# KiCad board NoU2-panelized2.kicad_pcb (continued)
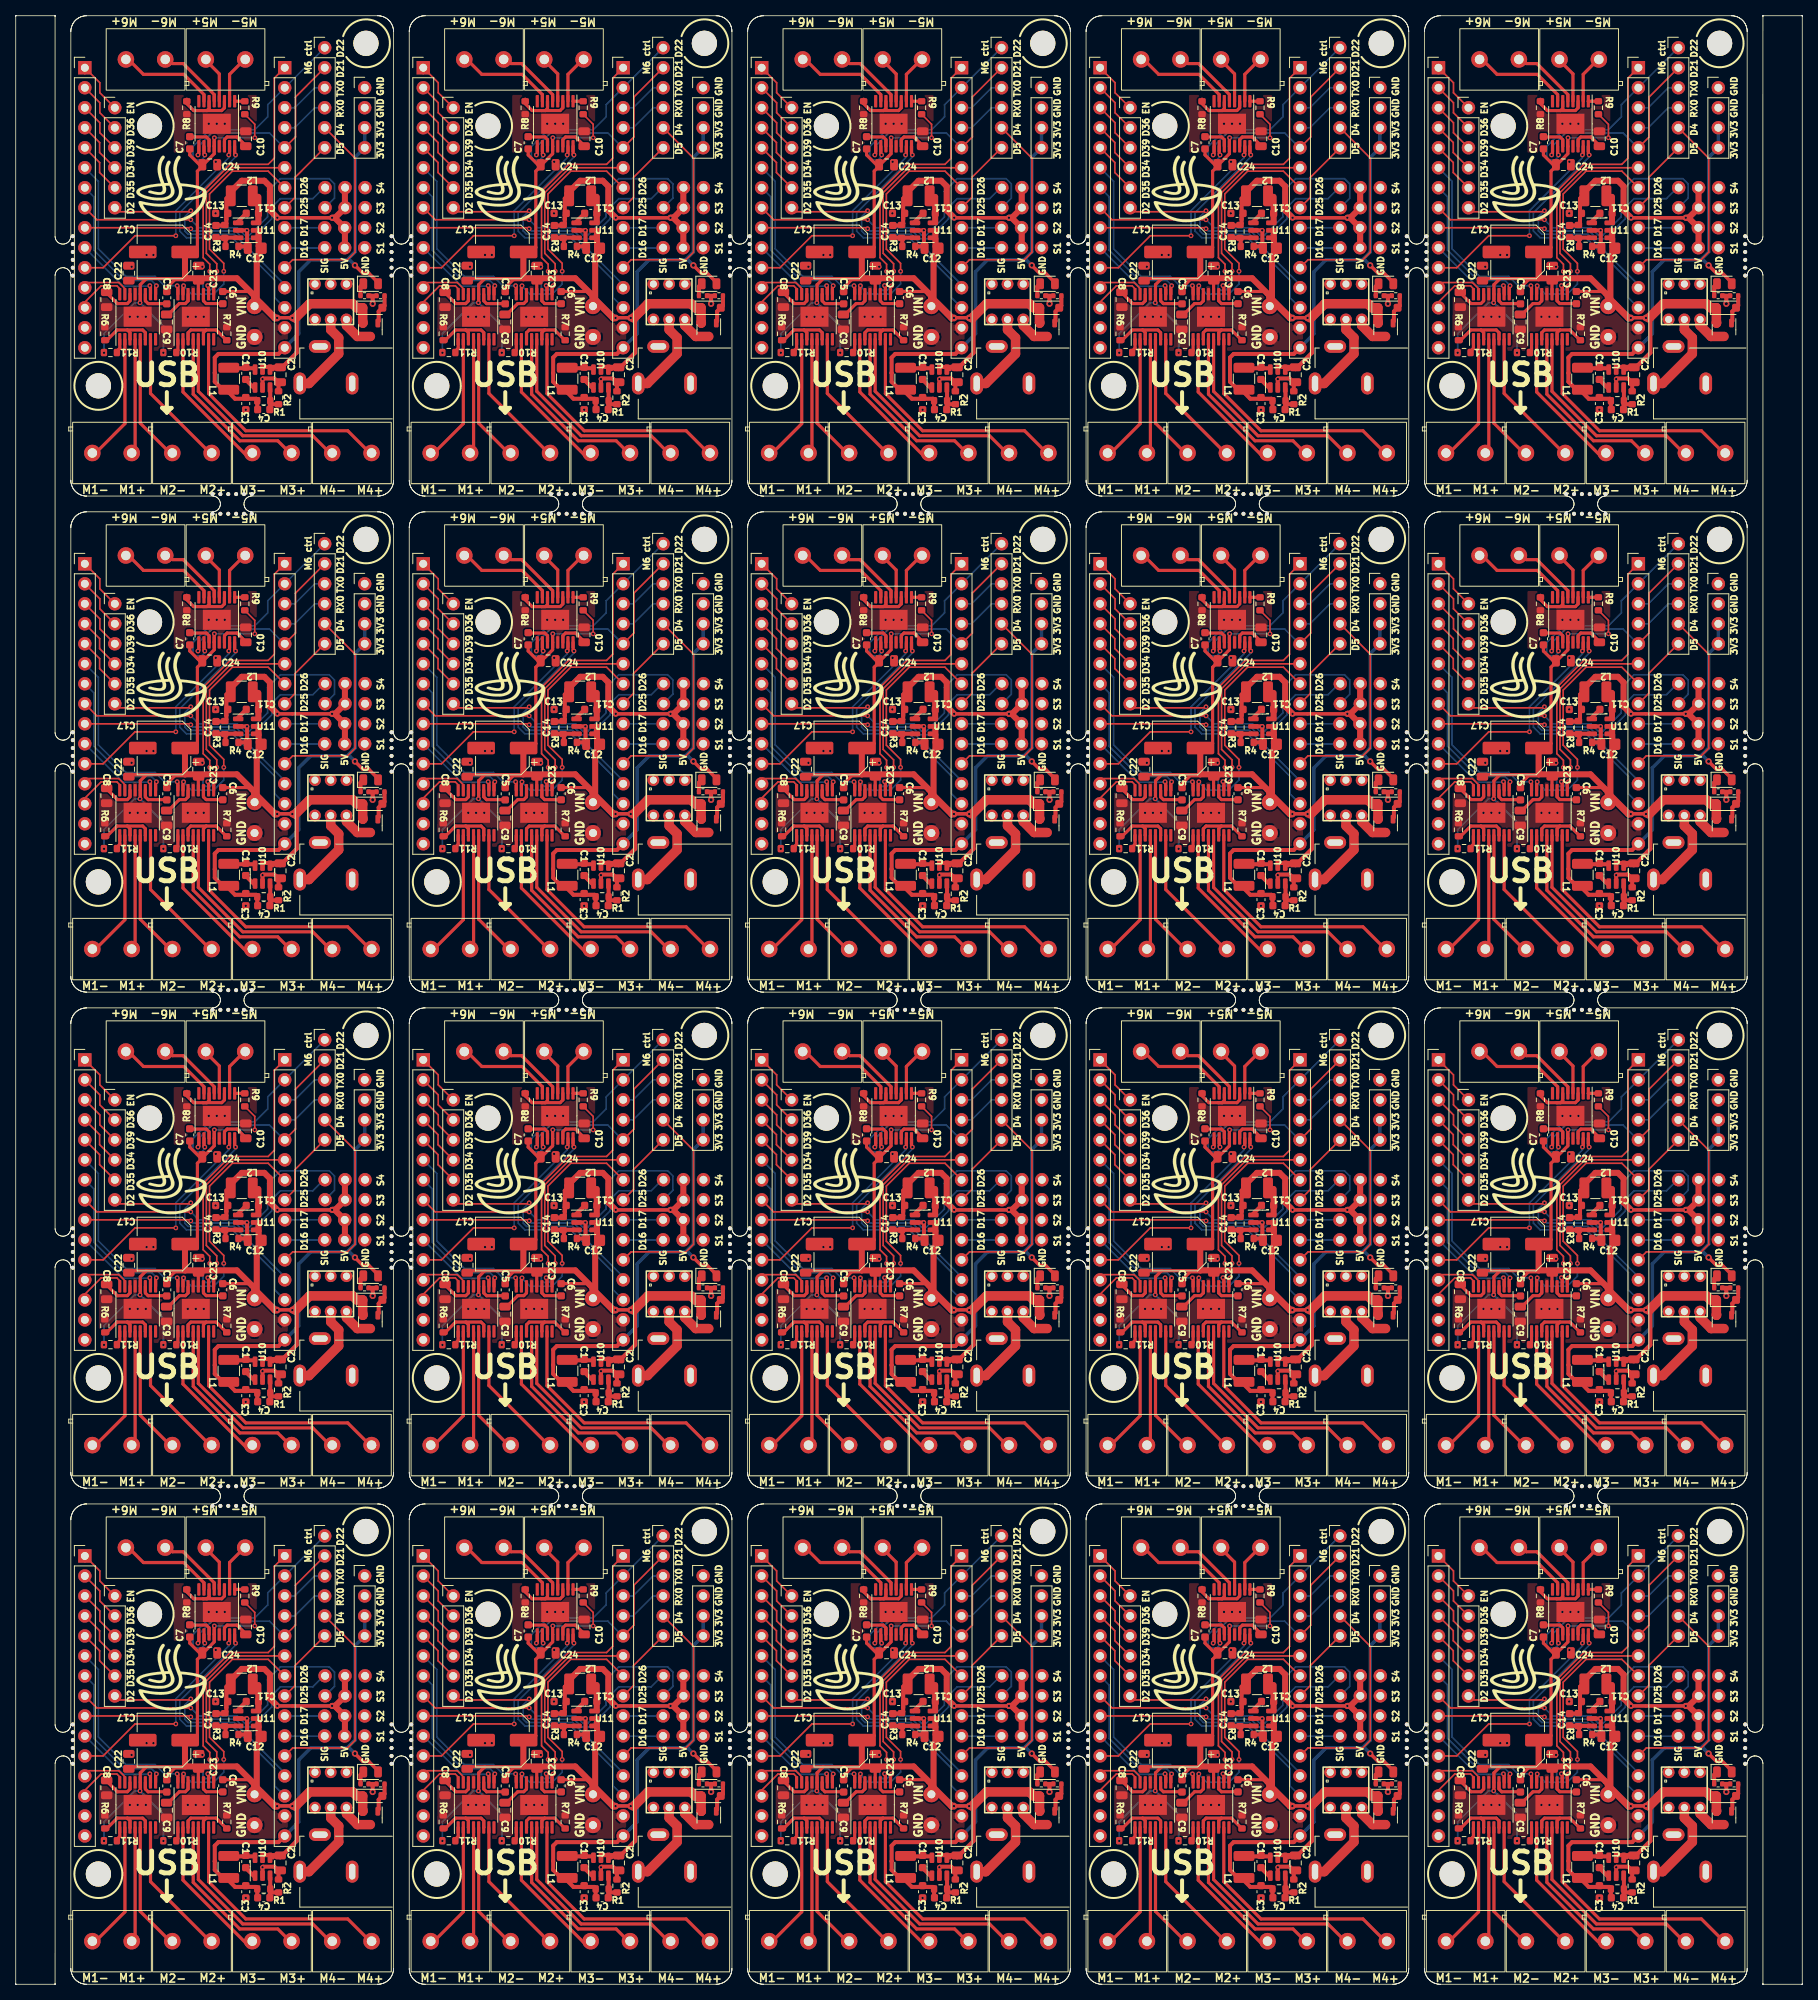
[diagram p0: board, top side]
## Routing (per net, layer and track width the routed paths; a pad name or vN(x,y) marks a point on that pad's centre or on a via; arc(x,y) is an arc through that point) (continued)
Board_12-Net-(D1-K): length 1.7
  Top w0.508: R14#14.1 129.81,89.61 D1#12.1
Board_12-Net-(D3-A): length 3.7
  Top w0.508: 132.01,85.12 132.12,85.23 132.12,86.45 D3#5.2 132.86,87.19 R5#16.1
Board_12-Net-(J10-Pad1): length 11.3
  Top w1.2: 122.08,77.3 123.26,77.3 127.04,81.07 127.04,83.11 126.02,84.12 U4#7.5
Board_12-Net-(J11-Pin_1): length 14.9
  Top w0.399: 101.17,82.91 101.17,68.42 100.88,68.12
Board_12-Net-(J11-Pin_2): length 16.5
  Top w0.399: 99.87,82.91 99.87,72.2 95.8,68.12
Board_12-Net-(J15-Pin_1): length 18.1
  Top w0.399: 103.12,82.91 103.12,76.03 111.03,68.12
Board_12-Net-(J15-Pin_2): length 16.5
  Top w0.399: 105.96,68.12 101.82,72.25 101.82,82.91
Board_12-Net-(J16-Pin_1): length 22.9
  Top w0.399: U3#4.4 108.55,75.94 114.47,70.02 119.3,70.02 121.19,68.12
Board_12-Net-(J16-Pin_2): length 18.9
  Top w0.399: U3#4.2 107.25,76.22 115.35,68.12 116.12,68.12
Board_12-Net-(J17-Pin_1): length 31
  Top w0.399: 131.36,68.12 128.18,71.29 115.23,71.29 110.5,76.02 U3#4.7
Board_12-Net-(J17-Pin_2): length 27.1
  Top w0.399: U3#4.5 109.2,76.3 114.84,70.66 123.74,70.66 126.28,68.12
Board_12-Net-(J18-Pin_1): length 6.4
  Top w0.399: 110.15,118.79 110.15,118.34 111.87,116.61 U2#15.4
Board_12-Net-(J18-Pin_2): length 6.5
  Top w0.399: 115.23,118.79 115.23,118.62 113.17,116.56 U2#15.2
Board_12-Net-(J19-Pin_1): length 12.8
  Top w0.399: 99.99,118.79 102.22,116.56 107.35,116.56 109.92,113.99 U2#15.7
Board_12-Net-(J19-Pin_2): length 9
  Top w0.399: U2#15.5 111.22,113.99 107.28,117.93 105.93,117.93 105.07,118.79
Board_12-Net-(Q1-D): length 4.4
  Top w1.2: Q1#16.3 129.41,83.27 128.02,84.66 U4#7.6
Board_12-Net-(U1-AISEN): length 7.8
  Top w0.399: 97.7,82.66 97.7,82.91 98.89,84.1 100.18,84.1 ; 100.52,82.91 100.52,82.91 100.52,83.75 100.18,84.1 ; 100.18,84.1 102.13,84.1 102.47,83.75 102.47,82.91 102.47,82.91
Board_12-Net-(U1-nSLEEP): length 1.8
  Top w0.399: 98.78,81.33 99.22,81.77 99.22,82.91
Board_12-Net-(U1-VCP): length 3.7
  Top w0.399: 102.47,88.64 102.47,87.79 102.82,87.44 105.16,87.44 C5#7.2
Board_12-Net-(U1-VINT): length 4.6
  Top w0.399: C8#8.1 97.55,88.81 98.91,87.45 100.18,87.45 100.52,87.79 100.52,88.64
Board_12-Net-(U2-AISEN): length 8.5
  Top w0.399: U2#15.3 112.52,112.3 112.17,111.96 109.79,111.96 ; 109.79,111.96 110.3,111.96 110.57,112.23 U2#15.6 ; 109.79,111.96 108.61,111.96 107.73,112.84 107.73,113.4
Board_12-Net-(U2-nSLEEP): length 1.3
  Top w0.399: U2#15.1 113.82,113.14 R9#2.1
Board_12-Net-(U2-VCP): length 3.5
  Top w0.399: C7#2.2 108.15,108.61 110.22,108.61 110.57,108.27 U2#15.11
Board_12-Net-(U2-VINT): length 4.2
  Top w0.399: U2#15.14 112.52,108.27 112.86,108.61 114.12,108.61 115.23,107.51 C10#2.1
Board_12-Net-(U3-AISEN): length 7.8
  Top w0.399: 110.19,84.1 111.47,84.1 112.69,82.89 112.69,82.66 ; 110.19,84.1 108.24,84.1 107.9,83.75 U3#4.3 107.9,82.91 ; 110.19,84.1 109.85,83.75 U3#4.6 109.84,82.9
Board_12-Net-(U3-nSLEEP): length 1.7
  Top w0.399: U3#4.1 106.6,81.53 106.4,81.33
Board_12-Net-(U3-VCP): length 3.4
  Top w0.399: C6#11.2 112.28,87.45 110.19,87.45 109.85,87.79 U3#4.11
Board_12-Net-(U3-VINT): length 4.3
  Top w0.399: C9#11.1 105.4,86.06 106.78,87.45 107.56,87.45 107.9,87.79 U3#4.14
Board_12-Net-(U10-BS): length 1.7
  Top w0.508: 115.2,77.8 116.37,76.63 ; 115.33,77.81 115.33,77.78
Board_12-Net-(U10-FB): length 4.1
  Top w0.508: C4#2.1 118.29,75.06 ; 118.29,75.06 R1#12.2 118.34,76.59 ; 118.29,75.06 118.29,74.84 118.46,74.66 R2#13.1 ; 118.41,75.06 118.46,75.1
Board_12-Net-(U10-LX): length 3.3
  Top w0.508: 116.43,79.23 113.15,79.23
Board_12-Net-(U11-BS): length 1.7
  Top w0.508: C11#3.2 114.08,97.7 114.06,97.7
Board_12-Net-(U11-FB): length 3.7
  Top w0.508: 114.06,95.8 114.04,95.82 C14#13.1 ; R3#10.2 112.65,95.69 R4#3.1
Board_12-Net-(U11-LX): length 3.5
  Top w0.508: 116.7,100.99 116.65,101.04 ; 116.68,98.75 C11#3.1 116.7,99.04
  Top w0.762: 116.83,97.81 116.83,98.86 ; 116.83,99.06 116.83,101
Board_12-RX0: length 6.1
  Bottom w0.203: J5#8.4 121.45,109.78 123.99,112.32 J1#3.4
Board_12-SRV1: length 5.1
  Top w0.203: 120.21,94.51 J5#8.10
  Bottom w0.203: 125.28,94.51 120.21,94.51
Board_12-SRV2: length 5.1
  Bottom w0.203: J5#8.9 125.25,97.08
Board_12-SRV3: length 41.8
  Top w0.203: J2#11.8 96.3,98.09 v2(108.24,98.09)
  Bottom w0.203: v2(108.24,98.09) 109.26,97.08 114.15,97.08 115.08,96.14 115.68,96.14 118,98.46 118,101.68 119.63,103.31 125.83,103.31 126.5,102.64 126.5,100.83 125.28,99.62
Board_12-SRV4: length 34.6
  Top w0.203: J2#11.9 108.15,97.08 v2(108.24,96.95)
  Bottom w0.203: v2(108.24,96.95) 108.52,96.67 113.91,96.67 114.91,95.68 115.99,95.68 118.53,98.22 118.53,99.67 119.63,100.77 123.75,100.77 125.13,102.16 125.28,102.16
Board_12-TX0: length 6.1
  Bottom w0.203: J5#8.3 121.45,112.32 123.99,114.86 J1#3.3
Board_12-VIN: length 119.5
  Top w0.203: v2(116.37,108.51) 116.37,110.22 R9#2.2
  Top w0.25: J14#2.1 116.74,87.51 116.74,88.1
  Top w0.399: C24#17.1 109.36,105.08 108.11,106.32 C7#2.1 ; C24#17.1 109.7,104.89 109.08,104.26 109.08,94.59 108.5,94 C17#16.1 ; C24#17.1 109.82,105.08 111.22,106.48 U2#15.12 111.21,107.43 111.21,108.51 ; 106.16,90.42 105.19,89.46 C5#7.1 ; 115.01,111.4 R9#2.2 ; 107.54,90.62 102.6,90.62 101.82,89.84 101.82,87.56 101.81,87.55 ; C6#11.1 115.78,88.98 116.04,88.72 ; 109.21,90.36 109.2,90.35 U3#4.12 ; C22#19.1 100.61,90.6 ; 100.65,90.62 102.63,90.62 ; 107.49,90.47 106.32,90.47
  Top w0.432: v2(119.21,85.62) 119.25,85.65 121.11,85.65 v2(121.14,85.62)
  Top w0.508: 117.65,79.4 118.27,79.4 ; 116.86,93.72 116.86,93.95 C12#17.2 ; 116.86,95.61 116.68,95.8 ; 118.53,79.27 118.69,79.11 ; 119.6,79.11 119.77,79.28 119.79,79.28 121.7,81.2 121.7,85.46 121.54,85.62 ; 119.52,79.41 118.61,79.41
  Top w0.762: C17#16.1 107.5,93.97 107.5,90.66 ; 116.85,95.7 116.85,96.65 ; 107.57,90.66 114.1,90.66 116.34,88.41 J14#2.1 116.62,87.4 116.62,93.48 116.86,93.72 116.86,95.61
  Top w0.864: v2(119.21,85.62) 118.93,85.62 116.34,88.21 116.34,88.41 ; 121.54,85.62 v2(121.14,85.62)
  Top w1.2: 130.11,85.12 Q1#16.2 130.09,85 D3#5.1 129.32,86.92 128.81,87.42 123.34,87.42 121.54,85.62
  Bottom w0.203: 111.21,108.51 v2(116.37,108.51) ; v2(97.22,81.2) 97.22,83.64 101.13,87.55 v2(101.79,87.55)
  Bottom w0.25: v2(101.79,87.55) 104.76,84.58 v2(104.76,81.2)
  Bottom w0.432: v2(119.21,85.62) 119.25,85.65 121.11,85.65 v2(121.14,85.62)
  vias: v2(111.24,108.51)
Board_13-3V3: length 60.9
  Top w0.432: v1(172.1,92.3) 173.1,91.3 173.85,91.3 175.04,90.11 D1#13.2
  Top w0.508: 156.07,76.37 155.94,76.5 155.94,76.29 156.87,75.36 159.56,75.36 159.81,75.1 ; 159.81,74.04 159.86,73.99 ; 156.2,76.25 155.56,76.25 154.29,77.52 154.29,78.63 154.29,78.63 154.29,80.59 154.75,81.05 162.39,81.05 J5#17.15 ; R1#10.1 159.69,74.04
  Bottom w0.432: J3#6.3 J3#6.4 172.11,106.01 172.11,94.01 171.12,93.01 ; v1(172.1,92.3) 171.39,93.01 171.12,93.01 ; 171.12,93.01 166.48,93.01 164.96,91.49 164.96,83.62 J5#17.15
Board_13-5V: length 40.3
  Top w0.432: v2(169.2,98.35) v2(162.24,98.35)
  Top w0.508: C14#15.2 155.5,97.37 R3#12.1 155.76,97.63 155.76,98.14 ; 156.11,101.14 155.76,100.79 155.76,98.14 ; 155.76,98.14 155.76,98.69 155.98,98.9 155.98,99.1
  Top w0.762: 170.82,94.51 170.82,97.05 169.53,98.35 v2(169.2,98.35) 169.58,98.35 170.82,99.59 170.82,102.16 ; v2(162.24,98.35) 161.3,99.29 161.3,102.33 160.59,103.05 158.58,103.05 158.58,103.04 157.72,103.04 156.11,101.43 156.11,101.14
  Bottom w0.432: v2(162.24,98.35) v2(169.2,98.35)
Board_13-/Sheet6057E9B8/D34: length 6.7
  Top w0.203: J4#3.4 139.66,106.63 139.66,107.9 J2#12.4
Board_13-/Sheet6057E9B8/D35: length 6.7
  Top w0.203: J4#3.5 139.66,104.09 139.66,105.36 J2#12.5
Board_13-/Sheet6057E9B8/D36: length 6.7
  Top w0.203: J2#12.2 139.68,112.95 139.68,111.68 J4#3.2
Board_13-/Sheet6057E9B8/D39: length 6.7
  Top w0.203: J4#3.3 139.68,109.14 139.68,110.41 J2#12.3
Board_13-/Sheet6057E9B8/EN: length 7.3
  Top w0.203: J4#3.1 139.68,114.22 139.68,115.49 J2#12.1
  Top w0.399: 137.78,116.76 J2#12.1
Board_13-D2: length 28.7
  Top w0.203: v2(151.24,99.24) 151.11,99.11 142.1,99.11 J4#3.6
  Bottom w0.203: J5#17.12 163.18,89.84 156.77,96.25 150.9,96.25 150.48,96.67 150.48,98.47 v2(151.24,99.24)
Board_13-D4: length 27.2
  Top w0.203: J5#17.11 164.19,93.01 171.15,93.01 172.12,93.98 172.12,105.92 J1#16.5
Board_13-D5: length 9.7
  Top w0.203: J5#17.8 164.5,100.94 164.5,103.48 J1#16.6
Board_13-GND: length 11.5
  Top w0.508: 158.32,73.98 158.33,73.98 ; R4#19.2 158.31,94.71 158.4,94.8 158.4,96.72 v2(158.38,96.75) 157.06,96.75 ; R5#20.2 174.1,88.44 ; 174.1,88.44 R14#15.2 ; 174.1,88.44 174.36,88.19 v1(174.36,87.42) ; 162.39,76.31 162.39,77.24 162.61,77.46 162.33,77.46 161.86,77.93 160.43,77.93 v2(160.36,77.86) 160.36,76.61
  vias: v2(143.49,85.77) v2(143.72,92.12) v2(144.5,85.77) v2(145.53,85.77) v2(145.63,93.62) v2(146.49,93.62) v2(150.86,85.77) v2(151.88,85.77) v2(152.71,92.12) v2(152.89,85.77) v2(153.53,110.28) v2(154.42,105.46) v2(154.39,98.9) v2(154.54,110.28) v2(155.56,110.28) v2(158.23,73.96)
Board_13-M1A: length 6.9
  Top w0.203: 142.22,88.64 142.22,89.33 141.85,89.7 139.85,89.7 137.78,87.63 J2#12.13
Board_13-M1B: length 6.8
  Top w0.203: J2#12.12 137.78,90.12 142.1,90.12 142.87,89.34 142.87,88.64
Board_13-M2A: length 11.3
  Top w0.399: 146.03,89.66 146.12,89.57 146.12,88.64
  Bottom w0.203: J2#12.10 142.66,89.66 146.03,89.66
  vias: v2(146.03,89.72)
Board_13-M2B: length 19.4
  Top w0.399: 146.77,88.64 146.77,89.56 146.87,89.66
  Bottom w0.203: J2#12.7 138.93,101 138.93,94.22 142.78,90.37 146.26,90.37 146.87,89.76 v2(146.87,89.71) 146.87,89.66 146.87,89.72
Board_13-M3A: length 24
  Top w0.399: 149.51,89.66 149.6,89.57 U3#8.16
  Bottom w0.203: v2(149.51,89.72) 147.88,89.72 146.7,90.9 143,90.9 139.5,94.4 139.5,102.97 J2#12.6
Board_13-M3B: length 30.9
  Top w0.203: J5#17.7 161.07,104.26 156.52,104.26 153.62,101.36 153.62,94.36 155.43,92.55 v2(155.43,91.54) ; 150.25,89.58 150.33,89.66
  Top w0.399: U3#8.15 150.25,89.58
  Bottom w0.203: v2(155.43,91.54) 155.43,89.93 154.15,88.65 151.34,88.65 150.33,89.66
  vias: v2(150.33,89.71)
Board_13-M4A: length 25.2
  Top w0.203: J5#17.6 156.39,104.7 153.22,101.53 153.22,93.83 154.54,92.5 v2(154.54,91.54)
  Top w0.399: 153.4,89.66 153.5,89.56 U3#8.10
  Bottom w0.203: v2(154.54,91.54) 154.54,90.82 153.4,89.67 153.4,89.66
  vias: v2(153.4,89.74)
Board_13-M4B: length 38.7
  Top w0.203: v2(153.65,91.54) 153.65,92.44 152.82,93.28 152.82,101.7 156.24,105.13 161.07,105.13 161.86,105.92 161.86,116.08 J5#17.1
  Top w0.399: U3#8.9 154.15,89.55 154.26,89.66
  Bottom w0.203: v2(154.29,89.71) 153.71,89.13 153.11,89.13 152.79,89.44 152.79,90.12 153.65,90.98 v2(153.65,91.54)
Board_13-M5A: length 32.5
  Top w0.399: 156.93,106.37 v2(156.93,106.32) 156.82,106.43 U2#20.16
  Bottom w0.203: v2(156.93,106.32) 156.93,106.07 149.84,98.98 149.84,96.65 150.69,95.81 156.51,95.81 161.91,90.41 161.91,88.19 163.18,86.92 J5#17.13
Board_13-M5B: length 27.4
  Top w0.203: J2#12.11 140.1,92 144.16,96.06 v2(149.34,96.06)
  Top w0.399: 156.07,106.37 156.17,106.47 U2#20.15
  Bottom w0.203: 156.07,106.37 156.07,105.97 149.34,99.24 v2(149.34,96.06)
  vias: v2(156.07,106.32)
Board_13-M6A: length 27.3
  Top w0.203: 168.25,119.94 J1#16.1
  Top w0.399: 153.02,106.37 152.92,106.47 U2#20.10
  Bottom w0.203: v2(153.02,106.32) 153.02,106.12 152.59,105.69 151.85,105.69 151.53,106.02 151.53,107.39 153.65,109.52 159.37,109.52 161.02,111.17 161.02,112.7 J5#17.2 168.25,119.94
Board_13-M6B: length 26.9
  Top w0.203: J5#17.5 164.55,108.61 164.55,113.69 J1#16.2
  Top w0.399: U2#20.9 152.27,106.49 152.16,106.37
  Bottom w0.203: 152.16,106.37 152.27,106.49 152.27,107.46 153.92,109.11 161.24,109.11 163.11,107.24 J5#17.5
  vias: v2(152.16,106.32)
Board_13-Net-(D1-K): length 1.7
  Top w0.508: R14#15.1 172.81,89.61 D1#13.1
Board_13-Net-(D3-A): length 3.7
  Top w0.508: 175.01,85.12 175.12,85.23 175.12,86.45 D3#9.2 175.86,87.19 R5#20.1
Board_13-Net-(J10-Pad1): length 11.3
  Top w1.2: 165.08,77.3 166.26,77.3 170.04,81.07 170.04,83.11 169.02,84.12 U4.5
Board_13-Net-(J11-Pin_1): length 14.9
  Top w0.399: 144.17,82.91 144.17,68.42 143.88,68.12
Board_13-Net-(J11-Pin_2): length 16.5
  Top w0.399: 142.87,82.91 142.87,72.2 138.8,68.12
Board_13-Net-(J15-Pin_1): length 18.1
  Top w0.399: 146.12,82.91 146.12,76.03 154.03,68.12
Board_13-Net-(J15-Pin_2): length 16.5
  Top w0.399: 148.96,68.12 144.82,72.25 144.82,82.91
Board_13-Net-(J16-Pin_1): length 22.9
  Top w0.399: U3#8.4 151.55,75.94 157.47,70.02 162.3,70.02 164.19,68.12
Board_13-Net-(J16-Pin_2): length 18.9
  Top w0.399: U3#8.2 150.25,76.22 158.35,68.12 159.12,68.12
Board_13-Net-(J17-Pin_1): length 31
  Top w0.399: 174.36,68.12 171.18,71.29 158.23,71.29 153.5,76.02 U3#8.7
Board_13-Net-(J17-Pin_2): length 27.1
  Top w0.399: U3#8.5 152.2,76.3 157.84,70.66 166.74,70.66 169.28,68.12
Board_13-Net-(J18-Pin_1): length 6.4
  Top w0.399: 153.15,118.79 153.15,118.34 154.87,116.61 U2#20.4
Board_13-Net-(J18-Pin_2): length 6.5
  Top w0.399: 158.23,118.79 158.23,118.62 156.17,116.56 U2#20.2
Board_13-Net-(J19-Pin_1): length 12.8
  Top w0.399: 142.99,118.79 145.22,116.56 150.35,116.56 152.92,113.99 U2#20.7
Board_13-Net-(J19-Pin_2): length 9
  Top w0.399: U2#20.5 154.22,113.99 150.28,117.93 148.93,117.93 148.07,118.79
Board_13-Net-(Q1-D): length 4.4
  Top w1.2: Q1#19.3 172.41,83.27 171.02,84.66 U4.6
Board_13-Net-(U1-AISEN): length 7.8
  Top w0.399: 140.7,82.66 140.7,82.91 141.89,84.1 143.18,84.1 ; 143.52,82.91 143.52,82.91 143.52,83.75 143.18,84.1 ; 143.18,84.1 145.13,84.1 145.47,83.75 145.47,82.91 145.47,82.91
Board_13-Net-(U1-nSLEEP): length 1.8
  Top w0.399: 141.78,81.33 142.22,81.77 142.22,82.91
Board_13-Net-(U1-VCP): length 3.7
  Top w0.399: 145.47,88.64 145.47,87.79 145.82,87.44 148.16,87.44 C5#15.2
Board_13-Net-(U1-VINT): length 4.6
  Top w0.399: C8#19.1 140.55,88.81 141.91,87.45 143.18,87.45 143.52,87.79 143.52,88.64
Board_13-Net-(U2-AISEN): length 8.5
  Top w0.399: U2#20.3 155.52,112.3 155.17,111.96 152.79,111.96 ; 152.79,111.96 153.3,111.96 153.57,112.23 U2#20.6 ; 152.79,111.96 151.61,111.96 150.73,112.84 150.73,113.4
Board_13-Net-(U2-nSLEEP): length 1.3
  Top w0.399: U2#20.1 156.82,113.14 R9#15.1
Board_13-Net-(U2-VCP): length 3.5
  Top w0.399: C7#20.2 151.15,108.61 153.22,108.61 153.57,108.27 U2#20.11
Board_13-Net-(U2-VINT): length 4.2
  Top w0.399: U2#20.14 155.52,108.27 155.86,108.61 157.12,108.61 158.23,107.51 C10#13.1
Board_13-Net-(U3-AISEN): length 7.8
  Top w0.399: 153.19,84.1 154.47,84.1 155.69,82.89 155.69,82.66 ; 153.19,84.1 151.24,84.1 150.9,83.75 U3#8.3 150.9,82.91 ; 153.19,84.1 152.85,83.75 U3#8.6 152.84,82.9
Board_13-Net-(U3-nSLEEP): length 1.7
  Top w0.399: U3#8.1 149.6,81.53 149.4,81.33
Board_13-Net-(U3-VCP): length 3.4
  Top w0.399: C6#4.2 155.28,87.45 153.19,87.45 152.85,87.79 U3#8.11
Board_13-Net-(U3-VINT): length 4.3
  Top w0.399: C9#16.1 148.4,86.06 149.78,87.45 150.56,87.45 150.9,87.79 U3#8.14
Board_13-Net-(U10-BS): length 1.7
  Top w0.508: 158.2,77.8 159.37,76.63 ; 158.33,77.81 158.33,77.78
Board_13-Net-(U10-FB): length 4.1
  Top w0.508: C4#9.1 161.29,75.06 ; 161.29,75.06 R1#10.2 161.34,76.59 ; 161.29,75.06 161.29,74.84 161.46,74.66 R2#3.1 ; 161.41,75.06 161.46,75.1
Board_13-Net-(U10-LX): length 3.3
  Top w0.508: 159.43,79.23 156.15,79.23
Board_13-Net-(U11-BS): length 1.7
  Top w0.508: C11.2 157.08,97.7 157.06,97.7
Board_13-Net-(U11-FB): length 3.7
  Top w0.508: 157.06,95.8 157.04,95.82 C14#15.1 ; R3#12.2 155.65,95.69 R4#19.1
Board_13-Net-(U11-LX): length 3.5
  Top w0.508: 159.7,100.99 159.65,101.04 ; 159.68,98.75 C11.1 159.7,99.04
  Top w0.762: 159.83,97.81 159.83,98.86 ; 159.83,99.06 159.83,101
Board_13-RX0: length 6.1
  Bottom w0.203: J5#17.4 164.45,109.78 166.99,112.32 J1#16.4
Board_13-SRV1: length 5.1
  Top w0.203: 163.21,94.51 J5#17.10
  Bottom w0.203: 168.28,94.51 163.21,94.51
Board_13-SRV2: length 5.1
  Bottom w0.203: J5#17.9 168.25,97.08
Board_13-SRV3: length 41.8
  Top w0.203: J2#12.8 139.3,98.09 v2(151.24,98.09)
  Bottom w0.203: v2(151.24,98.09) 152.26,97.08 157.15,97.08 158.08,96.14 158.68,96.14 161,98.46 161,101.68 162.63,103.31 168.83,103.31 169.5,102.64 169.5,100.83 168.28,99.62
Board_13-SRV4: length 34.6
  Top w0.203: J2#12.9 151.15,97.08 v2(151.24,96.95)
  Bottom w0.203: v2(151.24,96.95) 151.52,96.67 156.91,96.67 157.91,95.68 158.99,95.68 161.53,98.22 161.53,99.67 162.63,100.77 166.75,100.77 168.13,102.16 168.28,102.16
Board_13-TX0: length 6.1
  Bottom w0.203: J5#17.3 164.45,112.32 166.99,114.86 J1#16.3
Board_13-VIN: length 119.5
  Top w0.203: v2(159.37,108.51) 159.37,110.22 R9#15.2
  Top w0.25: J14#14.1 159.74,87.51 159.74,88.1
  Top w0.399: C24#15.1 152.36,105.08 151.11,106.32 C7#20.1 ; C24#15.1 152.7,104.89 152.08,104.26 152.08,94.59 151.5,94 C17#3.1 ; C24#15.1 152.82,105.08 154.22,106.48 U2#20.12 154.21,107.43 154.21,108.51 ; 149.16,90.42 148.19,89.46 C5#15.1 ; 158.01,111.4 R9#15.2 ; 150.54,90.62 145.6,90.62 144.82,89.84 144.82,87.56 144.81,87.55 ; C6#4.1 158.78,88.98 159.04,88.72 ; 152.21,90.36 152.2,90.35 U3#8.12 ; C22#20.1 143.61,90.6 ; 143.65,90.62 145.63,90.62 ; 150.49,90.47 149.32,90.47
  Top w0.432: v2(162.21,85.62) 162.25,85.65 164.11,85.65 v2(164.14,85.62)
  Top w0.508: 160.65,79.4 161.27,79.4 ; 159.86,93.72 159.86,93.95 C12#3.2 ; 159.86,95.61 159.68,95.8 ; 161.53,79.27 161.69,79.11 ; 162.6,79.11 162.77,79.28 162.79,79.28 164.7,81.2 164.7,85.46 164.54,85.62 ; 162.52,79.41 161.61,79.41
  Top w0.762: C17#3.1 150.5,93.97 150.5,90.66 ; 159.85,95.7 159.85,96.65 ; 150.57,90.66 157.1,90.66 159.34,88.41 J14#14.1 159.62,87.4 159.62,93.48 159.86,93.72 159.86,95.61
  Top w0.864: v2(162.21,85.62) 161.93,85.62 159.34,88.21 159.34,88.41 ; 164.54,85.62 v2(164.14,85.62)
  Top w1.2: 173.11,85.12 Q1#19.2 173.09,85 D3#9.1 172.32,86.92 171.81,87.42 166.34,87.42 164.54,85.62
  Bottom w0.203: 154.21,108.51 v2(159.37,108.51) ; v2(140.22,81.2) 140.22,83.64 144.13,87.55 v2(144.79,87.55)
  Bottom w0.25: v2(144.79,87.55) 147.76,84.58 v2(147.76,81.2)
  Bottom w0.432: v2(162.21,85.62) 162.25,85.65 164.11,85.65 v2(164.14,85.62)
  vias: v2(154.24,108.51)
Board_14-3V3: length 60.9
  Top w0.432: v1(215.1,92.3) 216.1,91.3 216.85,91.3 218.04,90.11 D1#15.2
  Top w0.508: 199.07,76.37 198.94,76.5 198.94,76.29 199.87,75.36 202.56,75.36 202.81,75.1 ; 202.81,74.04 202.86,73.99 ; 199.2,76.25 198.56,76.25 197.29,77.52 197.29,78.63 197.29,78.63 197.29,80.59 197.75,81.05 205.39,81.05 J5#19.15 ; R1#14.1 202.69,74.04
  Bottom w0.432: J3#8.3 J3#8.4 215.11,106.01 215.11,94.01 214.12,93.01 ; v1(215.1,92.3) 214.39,93.01 214.12,93.01 ; 214.12,93.01 209.48,93.01 207.96,91.49 207.96,83.62 J5#19.15
Board_14-5V: length 40.3
  Top w0.432: v2(212.2,98.35) v2(205.24,98.35)
  Top w0.508: C14#14.2 198.5,97.37 R3#17.1 198.76,97.63 198.76,98.14 ; 199.11,101.14 198.76,100.79 198.76,98.14 ; 198.76,98.14 198.76,98.69 198.98,98.9 198.98,99.1
  Top w0.762: 213.82,94.51 213.82,97.05 212.53,98.35 v2(212.2,98.35) 212.58,98.35 213.82,99.59 213.82,102.16 ; v2(205.24,98.35) 204.3,99.29 204.3,102.33 203.59,103.05 201.58,103.05 201.58,103.04 200.72,103.04 199.11,101.43 199.11,101.14
  Bottom w0.432: v2(205.24,98.35) v2(212.2,98.35)
Board_14-/Sheet6057E9B8/D34: length 6.7
  Top w0.203: J4#2.4 182.66,106.63 182.66,107.9 J2#4.4
Board_14-/Sheet6057E9B8/D35: length 6.7
  Top w0.203: J4#2.5 182.66,104.09 182.66,105.36 J2#4.5
Board_14-/Sheet6057E9B8/D36: length 6.7
  Top w0.203: J2#4.2 182.68,112.95 182.68,111.68 J4#2.2
Board_14-/Sheet6057E9B8/D39: length 6.7
  Top w0.203: J4#2.3 182.68,109.14 182.68,110.41 J2#4.3
Board_14-/Sheet6057E9B8/EN: length 7.3
  Top w0.203: J4#2.1 182.68,114.22 182.68,115.49 J2#4.1
  Top w0.399: 180.78,116.76 J2#4.1
Board_14-D2: length 28.7
  Top w0.203: v2(194.24,99.24) 194.11,99.11 185.1,99.11 J4#2.6
  Bottom w0.203: J5#19.12 206.18,89.84 199.77,96.25 193.9,96.25 193.48,96.67 193.48,98.47 v2(194.24,99.24)
Board_14-D4: length 27.2
  Top w0.203: J5#19.11 207.19,93.01 214.15,93.01 215.12,93.98 215.12,105.92 J1#17.5
Board_14-D5: length 9.7
  Top w0.203: J5#19.8 207.5,100.94 207.5,103.48 J1#17.6
Board_14-GND: length 11.5
  Top w0.508: 201.32,73.98 201.33,73.98 ; R4#15.2 201.31,94.71 201.4,94.8 201.4,96.72 v2(201.38,96.75) 200.06,96.75 ; R5#5.2 217.1,88.44 ; 217.1,88.44 R14#12.2 ; 217.1,88.44 217.36,88.19 v1(217.36,87.42) ; 205.39,76.31 205.39,77.24 205.61,77.46 205.33,77.46 204.86,77.93 203.43,77.93 v2(203.36,77.86) 203.36,76.61
  vias: v2(186.49,85.77) v2(186.72,92.12) v2(187.5,85.77) v2(188.53,85.77) v2(188.63,93.62) v2(189.49,93.62) v2(193.86,85.77) v2(194.88,85.77) v2(195.71,92.12) v2(195.89,85.77) v2(196.53,110.28) v2(197.42,105.46) v2(197.39,98.9) v2(197.54,110.28) v2(198.56,110.28) v2(201.23,73.96)
Board_14-M1A: length 6.9
  Top w0.203: 185.22,88.64 185.22,89.33 184.85,89.7 182.85,89.7 180.78,87.63 J2#4.13
Board_14-M1B: length 6.8
  Top w0.203: J2#4.12 180.78,90.12 185.1,90.12 185.87,89.34 185.87,88.64
Board_14-M2A: length 11.3
  Top w0.399: 189.03,89.66 189.12,89.57 189.12,88.64
  Bottom w0.203: J2#4.10 185.66,89.66 189.03,89.66
  vias: v2(189.03,89.72)
Board_14-M2B: length 19.4
  Top w0.399: 189.77,88.64 189.77,89.56 189.87,89.66
  Bottom w0.203: J2#4.7 181.93,101 181.93,94.22 185.78,90.37 189.26,90.37 189.87,89.76 v2(189.87,89.71) 189.87,89.66 189.87,89.72
Board_14-M3A: length 24
  Top w0.399: 192.51,89.66 192.6,89.57 U3#16.16
  Bottom w0.203: v2(192.51,89.72) 190.88,89.72 189.7,90.9 186,90.9 182.5,94.4 182.5,102.97 J2#4.6
Board_14-M3B: length 30.9
  Top w0.203: J5#19.7 204.07,104.26 199.52,104.26 196.62,101.36 196.62,94.36 198.43,92.55 v2(198.43,91.54) ; 193.25,89.58 193.33,89.66
  Top w0.399: U3#16.15 193.25,89.58
  Bottom w0.203: v2(198.43,91.54) 198.43,89.93 197.15,88.65 194.34,88.65 193.33,89.66
  vias: v2(193.33,89.71)
Board_14-M4A: length 25.2
  Top w0.203: J5#19.6 199.39,104.7 196.22,101.53 196.22,93.83 197.54,92.5 v2(197.54,91.54)
  Top w0.399: 196.4,89.66 196.5,89.56 U3#16.10
  Bottom w0.203: v2(197.54,91.54) 197.54,90.82 196.4,89.67 196.4,89.66
  vias: v2(196.4,89.74)
Board_14-M4B: length 38.7
  Top w0.203: v2(196.65,91.54) 196.65,92.44 195.82,93.28 195.82,101.7 199.24,105.13 204.07,105.13 204.86,105.92 204.86,116.08 J5#19.1
  Top w0.399: U3#16.9 197.15,89.55 197.26,89.66
  Bottom w0.203: v2(197.29,89.71) 196.71,89.13 196.11,89.13 195.79,89.44 195.79,90.12 196.65,90.98 v2(196.65,91.54)
Board_14-M5A: length 32.5
  Top w0.399: 199.93,106.37 v2(199.93,106.32) 199.82,106.43 U2#7.16
  Bottom w0.203: v2(199.93,106.32) 199.93,106.07 192.84,98.98 192.84,96.65 193.69,95.81 199.51,95.81 204.91,90.41 204.91,88.19 206.18,86.92 J5#19.13
Board_14-M5B: length 27.4
  Top w0.203: J2#4.11 183.1,92 187.16,96.06 v2(192.34,96.06)
  Top w0.399: 199.07,106.37 199.17,106.47 U2#7.15
  Bottom w0.203: 199.07,106.37 199.07,105.97 192.34,99.24 v2(192.34,96.06)
  vias: v2(199.07,106.32)
Board_14-M6A: length 27.3
  Top w0.203: 211.25,119.94 J1#17.1
  Top w0.399: 196.02,106.37 195.92,106.47 U2#7.10
  Bottom w0.203: v2(196.02,106.32) 196.02,106.12 195.59,105.69 194.85,105.69 194.53,106.02 194.53,107.39 196.65,109.52 202.37,109.52 204.02,111.17 204.02,112.7 J5#19.2 211.25,119.94
Board_14-M6B: length 26.9
  Top w0.203: J5#19.5 207.55,108.61 207.55,113.69 J1#17.2
  Top w0.399: U2#7.9 195.27,106.49 195.16,106.37
  Bottom w0.203: 195.16,106.37 195.27,106.49 195.27,107.46 196.92,109.11 204.24,109.11 206.11,107.24 J5#19.5
  vias: v2(195.16,106.32)
Board_14-Net-(D1-K): length 1.7
  Top w0.508: R14#12.1 215.81,89.61 D1#15.1
Board_14-Net-(D3-A): length 3.7
  Top w0.508: 218.01,85.12 218.12,85.23 218.12,86.45 D3#15.2 218.86,87.19 R5#5.1
Board_14-Net-(J10-Pad1): length 11.3
  Top w1.2: 208.08,77.3 209.26,77.3 213.04,81.07 213.04,83.11 212.02,84.12 U4#16.5
Board_14-Net-(J11-Pin_1): length 14.9
  Top w0.399: 187.17,82.91 187.17,68.42 186.88,68.12
Board_14-Net-(J11-Pin_2): length 16.5
  Top w0.399: 185.87,82.91 185.87,72.2 181.8,68.12
Board_14-Net-(J15-Pin_1): length 18.1
  Top w0.399: 189.12,82.91 189.12,76.03 197.03,68.12
Board_14-Net-(J15-Pin_2): length 16.5
  Top w0.399: 191.96,68.12 187.82,72.25 187.82,82.91
Board_14-Net-(J16-Pin_1): length 22.9
  Top w0.399: U3#16.4 194.55,75.94 200.47,70.02 205.3,70.02 207.19,68.12
Board_14-Net-(J16-Pin_2): length 18.9
  Top w0.399: U3#16.2 193.25,76.22 201.35,68.12 202.12,68.12
Board_14-Net-(J17-Pin_1): length 31
  Top w0.399: 217.36,68.12 214.18,71.29 201.23,71.29 196.5,76.02 U3#16.7
Board_14-Net-(J17-Pin_2): length 27.1
  Top w0.399: U3#16.5 195.2,76.3 200.84,70.66 209.74,70.66 212.28,68.12
Board_14-Net-(J18-Pin_1): length 6.4
  Top w0.399: 196.15,118.79 196.15,118.34 197.87,116.61 U2#7.4
Board_14-Net-(J18-Pin_2): length 6.5
  Top w0.399: 201.23,118.79 201.23,118.62 199.17,116.56 U2#7.2
Board_14-Net-(J19-Pin_1): length 12.8
  Top w0.399: 185.99,118.79 188.22,116.56 193.35,116.56 195.92,113.99 U2#7.7
Board_14-Net-(J19-Pin_2): length 9
  Top w0.399: U2#7.5 197.22,113.99 193.28,117.93 191.93,117.93 191.07,118.79
Board_14-Net-(Q1-D): length 4.4
  Top w1.2: Q1#11.3 215.41,83.27 214.02,84.66 U4#16.6
Board_14-Net-(U1-AISEN): length 7.8
  Top w0.399: 183.7,82.66 183.7,82.91 184.89,84.1 186.18,84.1 ; 186.52,82.91 186.52,82.91 186.52,83.75 186.18,84.1 ; 186.18,84.1 188.13,84.1 188.47,83.75 188.47,82.91 188.47,82.91
Board_14-Net-(U1-nSLEEP): length 1.8
  Top w0.399: 184.78,81.33 185.22,81.77 185.22,82.91
Board_14-Net-(U1-VCP): length 3.7
  Top w0.399: 188.47,88.64 188.47,87.79 188.82,87.44 191.16,87.44 C5#10.2
Board_14-Net-(U1-VINT): length 4.6
  Top w0.399: C8#20.1 183.55,88.81 184.91,87.45 186.18,87.45 186.52,87.79 186.52,88.64
Board_14-Net-(U2-AISEN): length 8.5
  Top w0.399: U2#7.3 198.52,112.3 198.17,111.96 195.79,111.96 ; 195.79,111.96 196.3,111.96 196.57,112.23 U2#7.6 ; 195.79,111.96 194.61,111.96 193.73,112.84 193.73,113.4
Board_14-Net-(U2-nSLEEP): length 1.3